# Altium PCB TEBF0808ASCII.PcbDoc (part 8 of 10)
Units mm, origin at the board's own origin, x right, y up, seen from the top; angles counter-clockwise.
Board outline 170 x 170 mm, 16 copper layers (L 01, L 02 G, L 03 S, L 04 G, L 05 S, L 06 G, L 07 P, L 08 P, L 09 P, L 10 P, L 11 G, L 12 S, L 13 G, L 14 S, L 15 G, L 16), stack 1.774 mm thick; 609 components, 869 nets, 3941 pads, 2358 vias.
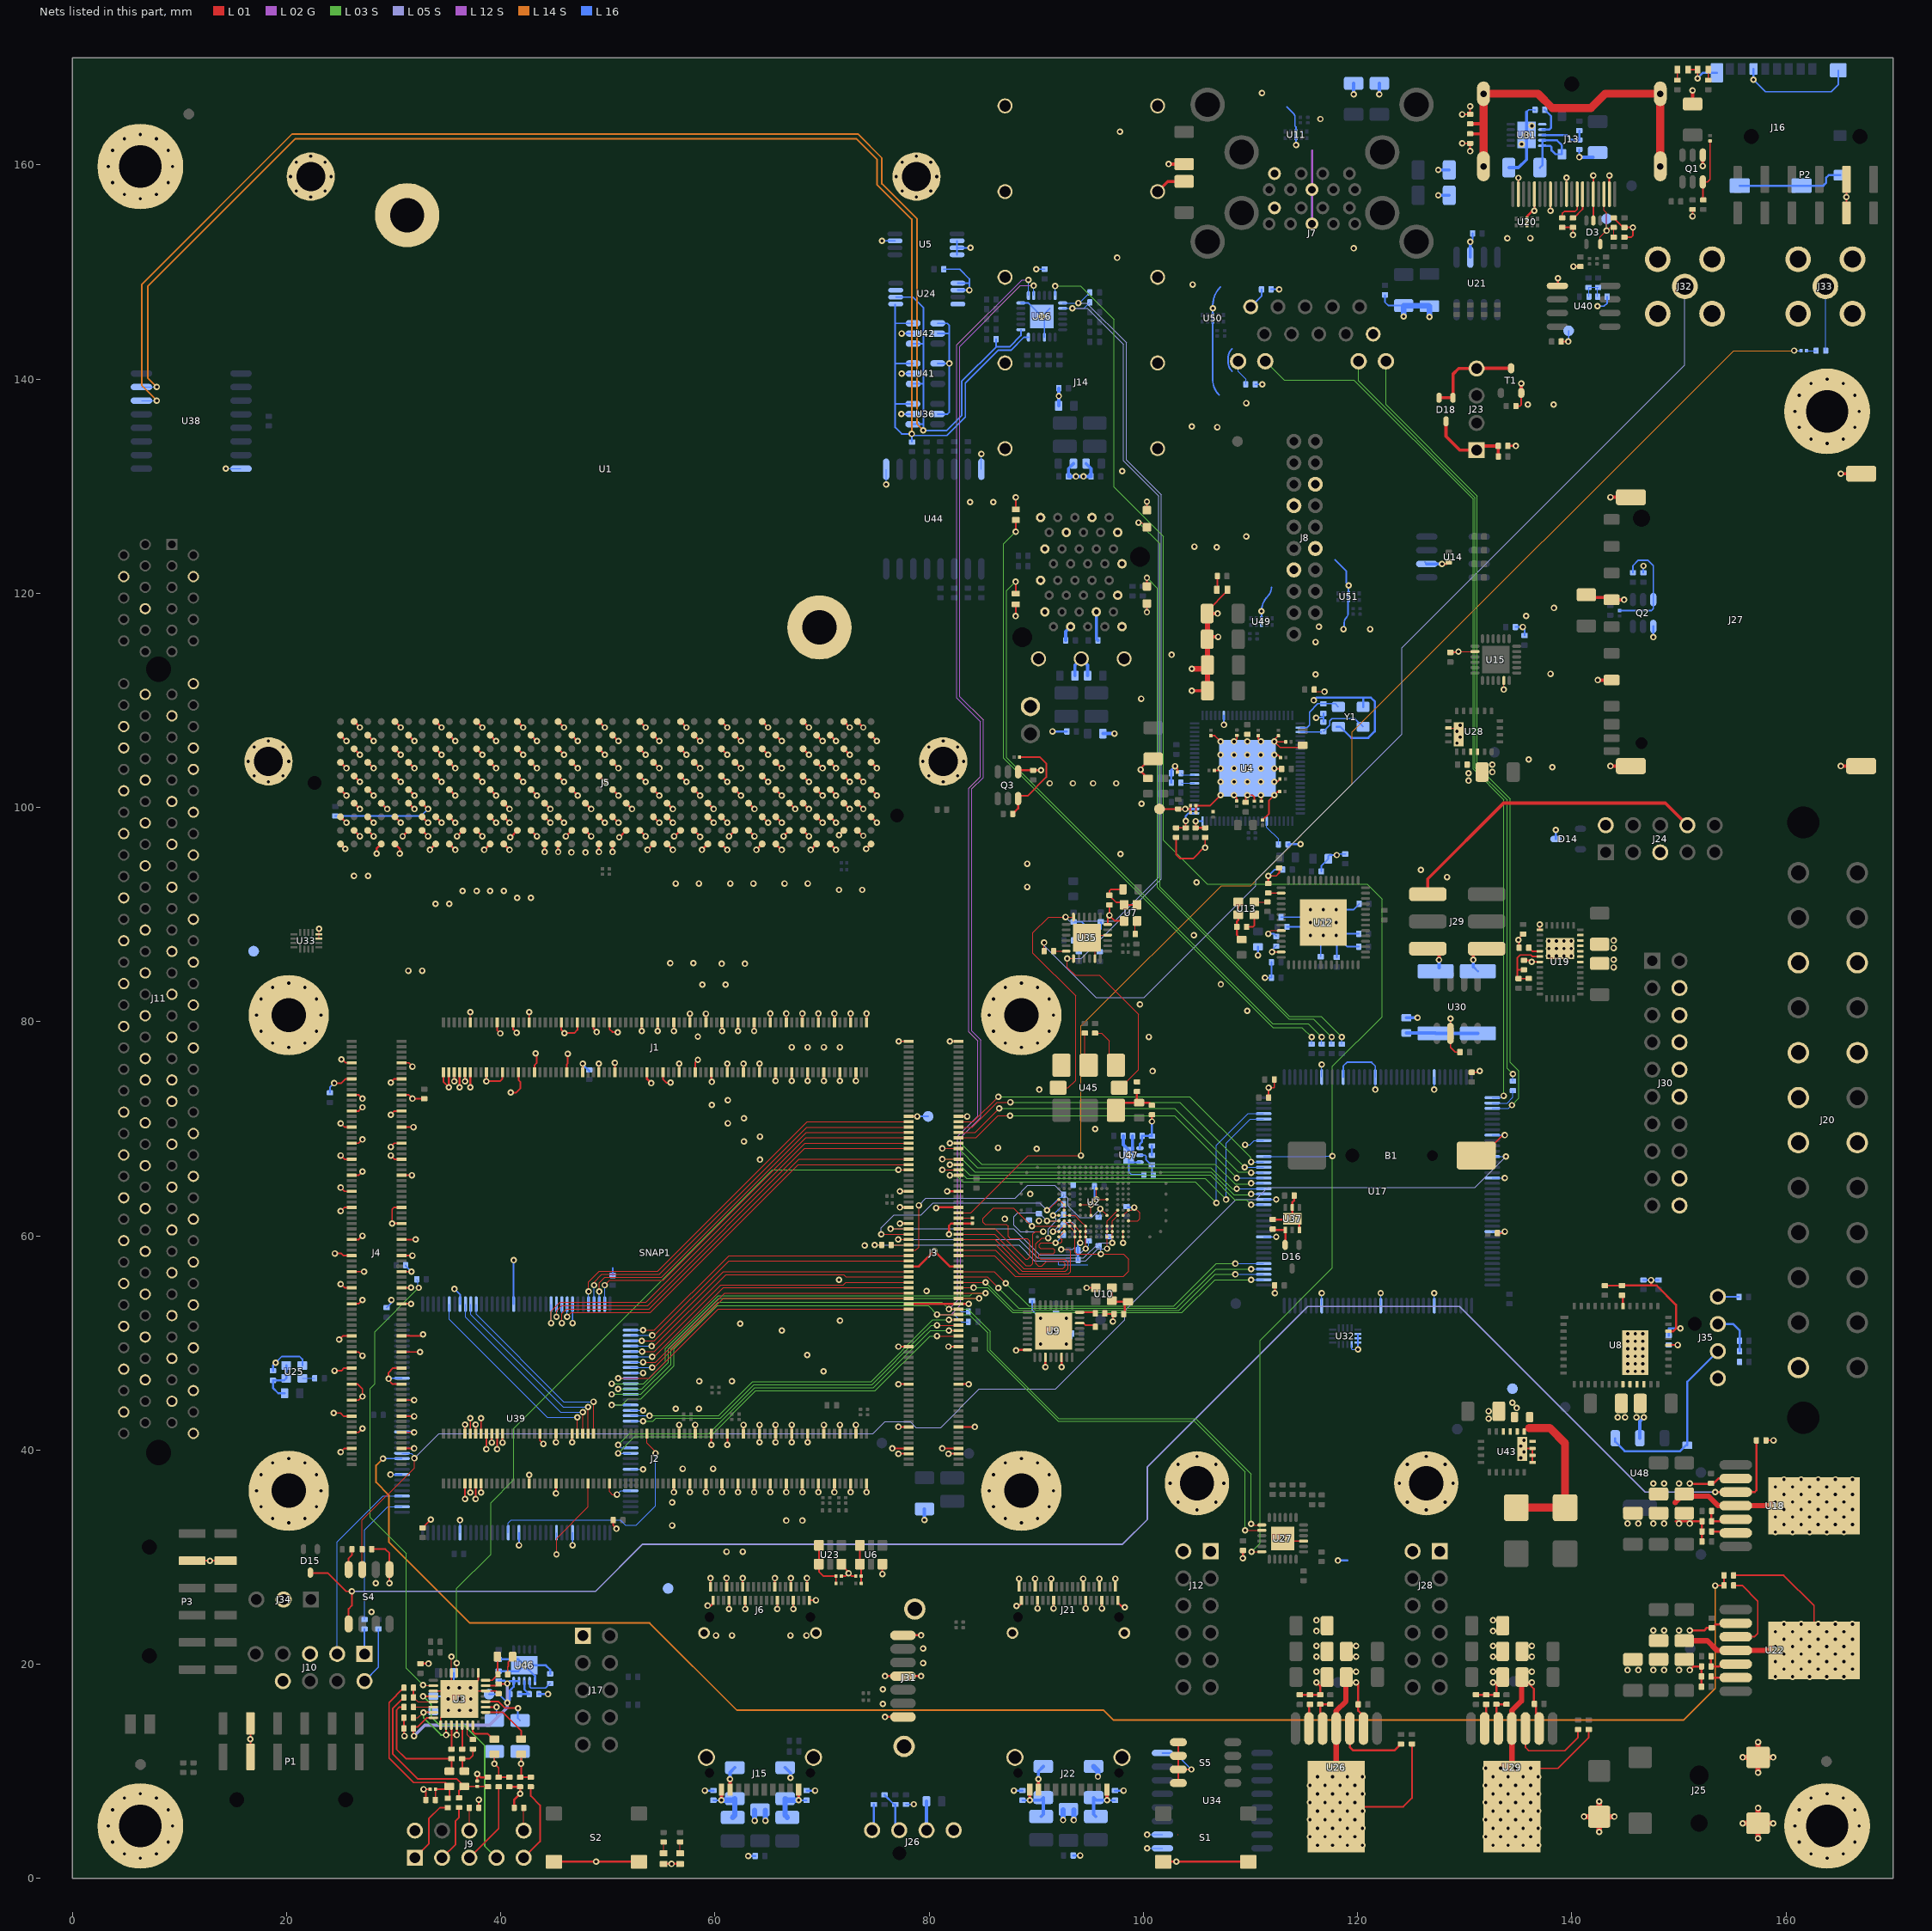
[diagram p18: the nets of this part, all layers, seen from the top]

## Via types
v1: diameter 0.6, hole 0.3, L 01 to L 16, 2358 vias

## Nets (pads, with @x,y where several pads share a name; then routed paths per layer and width w, separated by ;. In a path a pad name is that pad's centre, name@x,y a point inside that pad or via, vN(x,y) a via of type N, cw(c..) or ccw(c..) an arc to the next point about the centre after c; other vN are vias at no path point) (continued)
GND: (continued)
  other v1: 55.95,1.35 6.35,1.9 163.83,1.9 4.85,2.302 7.85,2.302 162.33,2.302 165.33,2.302 116.25,3.088 117.65,3.088 119.05,3.088 120.45,3.088 132.65,3.088 134.05,3.088 135.45,3.088 136.85,3.088 3.752,3.4 8.948,3.4 161.232,3.4 166.428,3.4 115.55,3.888 116.95,3.888 118.35,3.888 119.75,3.888 131.95,3.888 133.35,3.888 134.75,3.888 136.15,3.888 116.25,4.688 117.65,4.688 119.05,4.688 120.45,4.688 132.65,4.688 134.05,4.688 135.45,4.688 136.85,4.688 9.35,4.9 166.83,4.9 115.55,5.488 116.95,5.488 118.35,5.488 119.75,5.488 131.95,5.488 133.35,5.488 134.75,5.488 136.15,5.488 116.25,6.288 117.65,6.288 119.05,6.288 120.45,6.288 132.65,6.288 134.05,6.288 135.45,6.288 136.85,6.288 8.948,6.4 166.428,6.4 115.55,7.088 116.95,7.088 118.35,7.088 119.75,7.088 131.95,7.088 133.35,7.088 134.75,7.088 136.15,7.088 7.85,7.498 165.33,7.498 116.25,7.888 117.65,7.888 119.05,7.888 120.45,7.888 132.65,7.888 134.05,7.888 135.45,7.888 136.85,7.888 6.35,7.9 163.83,7.9 115.55,8.688 116.95,8.688 118.35,8.688 119.75,8.688 131.95,8.688 133.35,8.688 134.75,8.688 136.15,8.688 116.25,9.488 117.65,9.488 119.05,9.488 120.45,9.488 132.65,9.488 134.05,9.488 135.45,9.488 136.85,9.488 131.95,10.288 133.35,10.288 134.75,10.288 136.15,10.288 35.1,15.7 36.14,15.7 37.18,15.7 75.675,16.295 37.19,16.75 75.675,17.665 35.1,17.8 37.18,17.8 132.63,18.3 136.27,18.3 158.998,18.84 160.598,18.84 162.198,18.84 163.798,18.84 165.398,18.84 116.16,19.3 119.86,19.3 132.63,19.3 136.27,19.3 145.2,19.45 146.2,19.45 147.6,19.45 148.6,19.45 150,19.45 159.798,19.54 161.398,19.54 162.998,19.54 164.598,19.54 166.198,19.54 79.425,20.105 158.998,20.24 160.598,20.24 162.198,20.24 163.798,20.24 165.398,20.24 116.16,20.7 119.86,20.7 132.63,20.7 136.27,20.7 159.798,20.94 161.398,20.94 162.998,20.94 164.598,20.94 166.198,20.94 79.425,21.475 158.998,21.64 160.598,21.64 162.198,21.64 163.798,21.64 165.398,21.64 116.16,21.7 119.86,21.7 132.63,21.7 136.27,21.7 159.798,22.34 161.398,22.34 162.998,22.34 164.598,22.34 166.198,22.34 60.09,22.685 61.59,22.685 67.04,22.685 68.54,22.685 158.998,23.04 160.598,23.04 162.198,23.04 163.798,23.04 165.398,23.04 116.16,23.1 132.63,23.1 147.6,23.15 148.6,23.15 150,23.15 159.798,23.74 161.398,23.74 162.998,23.74 164.598,23.74 166.198,23.74 116.16,24.1 132.63,24.1 27.925,24.875 28.335,27.575 61.085,30.515 62.585,30.515 41.7,31.11 46.7,31.11 158.998,32.35 160.598,32.35 162.198,32.35 163.798,32.35 165.398,32.35 56,32.96 159.798,33.05 161.398,33.05 162.998,33.05 164.598,33.05 166.198,33.05 145.2,33.13 146.2,33.13 147.6,33.13 148.6,33.13 150,33.13 151,33.13 20.205,33.203 88.605,33.203 66.655,33.408 68.155,33.408 18.705,33.605 21.705,33.605 87.105,33.605 90.105,33.605 158.998,33.75 160.598,33.75 162.198,33.75 163.798,33.75 165.398,33.75 105,34.4 126.4,34.4 159.798,34.45 161.398,34.45 162.998,34.45 164.598,34.45 166.198,34.45 17.607,34.703 22.803,34.703 86.007,34.703 91.203,34.703 56,35.12 103.232,35.132 106.768,35.132 124.632,35.132 128.168,35.132 158.998,35.15 160.598,35.15 162.198,35.15 163.798,35.15 165.398,35.15 159.798,35.85 161.398,35.85 162.998,35.85 164.598,35.85 166.198,35.85 23.205,36.203 91.605,36.203 158.998,36.55 160.598,36.55 162.198,36.55 163.798,36.55 165.398,36.55 147.6,36.87 148.6,36.87 150,36.87 151,36.87 102.5,36.9 107.5,36.9 123.9,36.9 128.9,36.9 159.798,37.25 161.398,37.25 162.998,37.25 164.598,37.25 166.198,37.25 22.803,37.703 91.203,37.703 56.99,38.25 59.82,38.25 103.232,38.668 106.768,38.668 124.632,38.668 128.168,38.668 21.705,38.801 90.105,38.801 20.205,39.203 88.605,39.203 135.234,39.266 105,39.4 126.4,39.4 135.534,39.816 31.915,40.149 135.234,40.366 135.534,40.916 132.224,42.926 144.276,43.051 144.976,43.051 146.026,43.051 31.915,43.149 132.224,43.626 56.335,43.852 58.495,43.852 134.85,43.925 134.449,44.426 31.915,44.649 58.525,46.425 61.575,46.425 70.136,47.339 145.226,47.351 145.926,47.351 146.626,47.351 145.226,48.051 145.926,48.051 146.626,48.051 145.226,48.751 145.926,48.751 146.626,48.751 68.609,48.866 145.226,49.451 145.926,49.451 146.626,49.451 90.4,49.9 145.226,50.151 145.926,50.151 146.626,50.151 145.226,50.851 145.926,50.851 146.626,50.851 91.6,51.1 66.25,51.15 62.35,51.8 71.675,52.075 31.628,53.653 79.75,54.85 71.575,55.9 73.975,59.1 90.25,61.4 87.05,61.575 89.425,63.9 64.2,67.11 90.025,68.125 86.425,68.225 62.7,68.81 64.2,69.27 95.5,69.975 61.2,70.51 62.7,70.97 59.7,72.21 61.2,72.67 90.275,73.65 100.85,75.375 20.205,77.603 67.155,77.608 68.655,77.608 70.155,77.608 71.655,77.608 88.605,77.603 87.105,78.005 90.105,78.005 100.5,78.575 58.4,78.59 50.925,79 86.007,79.103 91.203,79.103 17.205,80.603 23.205,80.603 91.605,80.603 109.7,81 99.675,81.6 91.203,82.103 90.105,83.201 58.825,83.45 60.985,83.45 107.225,83.475 20.205,83.603 88.605,83.603 31.36,84.75 32.66,84.75 143.9,85.075 60.625,85.403 62.785,85.403 55.825,85.45 57.985,85.45 143.9,85.775 137.85,86.125 138.55,86.125 139.25,86.125 139.95,86.125 137.85,86.825 138.55,86.825 139.25,86.825 139.95,86.825 143.9,86.875 137.85,87.525 138.55,87.525 139.25,87.525 139.95,87.525 143.9,87.575 135,87.625 116.8,88.05 104.7,88.075 115.6,89.25 118,89.25 116.8,90.45 33.9,91 35.2,91 41.52,91.55 42.82,91.55 36.44,92.2 37.74,92.2 39.002,92.2 40.28,92.2 71.581,92.3 73.741,92.3 89.15,92.58 56.341,92.9 58.501,92.9 61.421,92.9 63.581,92.9 66.501,92.9 68.661,92.9 104.95,93 128.35,93.5 26.302,93.6 27.602,93.6 125.9,94.175 89.15,94.74 97.85,95.65 46.6,95.8 47.9,95.8 44.09,95.84 45.36,95.84 49.17,95.84 50.44,95.84 105.76,96.235 58.605,97.256 56.187,97.306 73.845,97.356 99.825,100.35 91.255,102.25 93.415,102.25 95.305,102.25 97.465,102.25 18.31,102.4 81.31,102.4 107.21,102.4 108.46,102.4 109.71,102.4 110.96,102.4 130.35,102.5 16.966,102.956 19.654,102.956 79.966,102.956 82.654,102.956 130.35,103.2 132.575,103.3 108.46,103.65 109.71,103.65 110.96,103.65 138.175,103.75 132.575,104 16.41,104.3 20.21,104.3 79.41,104.3 83.21,104.3 135.975,104.475 107.21,104.9 108.46,104.9 109.71,104.9 110.96,104.9 16.966,105.644 19.654,105.644 79.966,105.644 82.654,105.644 129.265,106.01 109.71,106.15 18.31,106.2 81.31,106.2 129.565,106.56 129.565,107.66 99.8,110.15 116.075,112.41 138,112.475 102.625,114.25 116.075,115.44 121.16,116.65 116.375,116.875 135.725,117.875 138.325,118.625 106.85,124.3 104.75,124.35 109.6,125.3 83.82,128.5 85.98,128.5 93.7,130.9 94.4,130.9 98.025,131.4 163.83,133.98 162.33,134.382 165.33,134.382 106.9,135.5 161.232,135.48 166.428,135.48 104.525,135.575 166.83,136.98 135.9,137.625 138.3,137.625 109.6,137.75 166.428,138.48 165.33,139.578 163.83,139.98 104.6,148.825 97.55,151.325 119.625,152.2 133.98,153.14 136.12,153.16 6.35,156.84 22.26,157 78.81,157 4.85,157.242 7.85,157.242 20.916,157.556 23.604,157.556 77.466,157.556 80.154,157.556 3.752,158.34 8.948,158.34 20.36,158.9 24.16,158.9 76.91,158.9 80.71,158.9 9.35,159.84 20.916,160.244 23.604,160.244 77.466,160.244 80.154,160.244 22.26,160.8 78.81,160.8 8.948,161.34 135.315,161.935 7.85,162.438 6.35,162.84 97.8,163.1 136.265,163.635 116.525,164.275 111.075,166.7
HD_LED_N: J10.3 U39.112 | length 18.3
  L 16 w0.1: J10.3@24.73,20.96 24.73,31.401 29.029,35.7 U39.112@30.78,35.7
HD_LED_P: R61.1 U39.110 | length 12.8
  L 16 w0.1: R61.1@27.275,24.17 27.275,32.532 29.443,34.7 U39.110@30.78,34.7
HDA_SENSE: J9.7 U3.4 | length 20.2
  L 01 w0.15: v1(32.75,17) U3.4@33.7,17
  L 03 S w0.15: v1(32.75,17) 33.5,16.25 33.5,15.1 34.3,14.3 36.6,14.3 38.5,12.4 38.5,3.031 J9.7@39.601,1.93
HDIO_SC0: J3.31 U39.32 | length 38.1
  L 01 w0.1: v1(48.2,54.79) 48.2,55.7 49.175,56.675 54.65,56.675 68.628,70.653 J3.31@78.07,70.653
  L 16 w0.1: U39.32@48.2,53.62 v1(48.2,54.79)
HDIO_SC1: J3.33 U39.33 | length 37.4
  L 01 w0.1: v1(48.7,55.39) 48.7,55.65 49.45,56.4 54.825,56.4 68.578,70.153 J3.33@78.07,70.153
  L 16 w0.1: U39.33@48.7,53.62 v1(48.7,55.39)
HDIO_SC2: J3.35 U39.34 | length 36.7
  L 01 w0.1: v1(49.2,54.79) 49.2,55.6 49.725,56.125 55,56.125 68.528,69.653 J3.35@78.07,69.653
  L 16 w0.1: U39.34@49.2,53.62 v1(49.2,54.79)
HDIO_SC3: J3.37 U39.35 | length 35.8
  L 01 w0.1: v1(49.7,55.39) 50.16,55.85 55.175,55.85 68.478,69.153 J3.37@78.07,69.153
  L 16 w0.1: U39.35@49.7,53.62 v1(49.7,55.39)
HDIO_SC4: J3.39 U39.25 | length 42.7
  L 01 w0.1: v1(44.7,51.85) 44.7,52.95 45.55,53.8 53.575,53.8 68.428,68.653 J3.39@78.07,68.653
  L 16 w0.1: v1(44.7,51.85) U39.25@44.7,53.62
HDIO_SC5: J3.41 U39.26 | length 40.9
  L 01 w0.1: v1(45.2,52.45) 45.2,53 45.7,53.5 53.725,53.5 68.378,68.153 J3.41@78.07,68.153
  L 16 w0.1: v1(45.2,52.45) U39.26@45.2,53.62
HDIO_SC6: J3.45 U39.27 | length 41
  L 01 w0.1: v1(45.7,51.85) 45.7,52.75 46.125,53.175 53.85,53.175 67.828,67.153 J3.45@78.07,67.153
  L 16 w0.1: v1(45.7,51.85) U39.27@45.7,53.62
HDIO_SC7: J3.47 U39.28 | length 39.1
  L 01 w0.1: v1(46.2,52.45) 46.6,52.85 50,52.85 53.975,52.85 67.778,66.653 71.503,66.653 ; 71.7,66.653 71.503,66.653 ; J3.47@78.07,66.653 71.503,66.653
  L 16 w0.1: v1(46.2,52.45) U39.28@46.2,53.62
HDIO_SC10: J3.32 U17.60 | length 32.2
  L 01 w0.1: J3.32@82.74,70.653 84.108,70.653 v1(86.447,72.992)
  L 03 S w0.1: v1(86.447,72.992) 104.332,72.992 110.01,67.314 110.01,66.95 v1(110.06,66.9)
  L 16 w0.1: v1(110.06,66.9) U17.60@111.23,66.9
HDIO_SC11: J3.34 U17.59 | length 32
  L 01 w0.1: J3.34@82.74,70.153 84.028,70.153 86.347,72.472 v1(87.57,72.472)
  L 03 S w0.1: v1(87.57,72.472) 103.388,72.472 v1(109.46,66.4)
  L 16 w0.1: v1(109.46,66.4) U17.59@111.23,66.4
HDIO_SC12: J3.36 U17.58 | length 31.9
  L 01 w0.1: J3.36@82.74,69.653 84.286,69.653 v1(86.529,71.896)
  L 03 S w0.1: v1(86.529,71.896) 102.919,71.896 108.866,65.95 110.01,65.95 v1(110.06,65.9)
  L 16 w0.1: v1(110.06,65.9) U17.58@111.23,65.9
HDIO_SC13: J3.38 U17.57 | length 31.7
  L 01 w0.1: J3.38@82.74,69.153 84.378,69.153 86.437,71.212 v1(87.543,71.212)
  L 03 S w0.1: v1(87.543,71.212) 102.898,71.212 v1(108.71,65.4)
  L 16 w0.1: v1(108.71,65.4) U17.57@111.23,65.4
HDIO_SC14: J3.40 U17.56 | length 31.6
  L 01 w0.1: v1(81.928,68.653) J3.40@82.74,68.653
  L 02 G w0.1: v1@81.925,68.65 v1(81.928,68.653)
  L 03 S w0.1: v1(81.928,68.653) 82.947,68.653 84.9,66.7 106.7,66.7 108.55,64.85 v1@110.01,64.85
  L 16 w0.1: v1(110.06,64.9) U17.56@111.23,64.9
HDIO_SC15: J3.42 U17.55 | length 33.1
  L 01 w0.1: v1(81.225,68.153) J3.42@82.74,68.153
  L 03 S w0.1: v1(81.225,68.153) 82.722,68.153 84.5,66.375 106.3,66.375 108.32,64.355 v1@108.71,64.355
  L 16 w0.1: v1(108.71,64.4) U17.55@111.23,64.4
HDIO_SC16: J3.46 U17.54 | length 32.8
  L 01 w0.1: v1(81.225,67.153) J3.46@82.74,67.153
  L 03 S w0.1: v1(81.225,67.153) 83.072,67.153 84.25,65.975 106.325,65.975 108.45,63.85 v1@110.01,63.85
  L 16 w0.1: v1(110.06,63.9) U17.54@111.23,63.9
HDIO_SC17: J3.48 U17.52 | length 31.7
  L 01 w0.1: v1(81.928,66.653) J3.48@82.74,66.653
  L 02 G w0.1: v1@81.925,66.65 v1(81.928,66.653)
  L 03 S w0.1: v1(81.928,66.653) 82.797,66.653 83.775,65.675 106.225,65.675 108.545,63.355 109.605,63.355 v1(110.06,62.9)
  L 16 w0.1: v1(110.06,62.9) U17.52@111.23,62.9
HDIO_SC18: J3.50 U17.68 | length 38.9
  L 01 w0.1: v1(81.225,66.153) J3.50@82.74,66.153
  L 03 S w0.1: v1(81.225,66.153) 82.672,66.153 83.475,65.35 105.743,65.35 v1(107.711,63.382)
  L 16 w0.1: v1(107.711,63.382) 107.711,68.636 109.975,70.9 U17.68@111.23,70.9
HDIO_SC19: J3.52 U17.69 | length 37.8
  L 01 w0.1: v1(81.928,65.653) J3.52@82.74,65.653
  L 02 G w0.1: v1@81.925,65.65 v1(81.928,65.653)
  L 03 S w0.1: v1(81.928,65.653) 82.547,65.653 83.15,65.05 104.842,65.05 v1(106.82,63.072)
  L 16 w0.1: v1(106.82,63.072) 106.82,68.456 109.764,71.4 U17.69@111.23,71.4
I2C_RST: U16.24 U17.61 U27.24 | length 154.2
  L 01 w0.1: v1(110.1,30.5) U27.24@111.05,30.5
  L 03 S w0.1: v1(91.76,148.67) 94.13,148.67 97.25,145.55 97.25,129.9 101.85,125.3 101.85,96.95 105.975,92.825 120.875,92.825 122.275,91.425 122.275,80.45 117.65,75.825 v1(117.65,67.45) 117.65,57 110.9,50.25 110.9,31.3 v1(110.1,30.5)
  L 16 w0.1: U16.24@91.76,147.8 v1(91.76,148.67) ; U17.61@111.23,67.4 117,67.4 117.05,67.45 v1(117.65,67.45)
I2C_SCL: J3.102 R141.2 U16.19 U27.19 U39.50 | length 185.6
  L 01 w0.1: v1(81.831,53.153) J3.102@82.74,53.153 ; v1(110.05,33.1) 110.15,33 U27.19@111.05,33
  L 03 S w0.1: v1(50.35,45.2) 53.1,45.2 55.9,48 55.9,49.433 60.292,53.825 81.159,53.825 v1(81.831,53.153) 83.622,53.153 85.715,51.06 85.715,49.3 92.065,42.95 104.875,42.95 110.05,37.775 v1(110.05,33.1)
  L 12 S w0.1: v1(81.831,53.153) 82.65,53.972 82.65,69.275 84.555,71.18 84.555,78.195 83.7,79.05 83.7,101.8 84.79,102.89 84.79,108.01 82.575,110.225 82.575,143.175 88.66,149.26 v1(89.26,149.26)
  L 16 w0.1: v1(50.35,45.2) U39.50@52.12,45.2 ; v1(81.831,53.153) 82.74,53.153 82.968,52.925 R141.2@83.655,52.925 ; U16.19@89.26,147.8 v1(89.26,149.26)
I2C_SDA: J3.104 R142.2 U16.20 U27.20 U39.52 | length 190
  L 01 w0.1: v1(80.731,52.653) J3.104@82.74,52.653 ; v1(109.5,32.5) U27.20@111.05,32.5
  L 03 S w0.1: v1(50.35,44.2) 51.3,44.2 51.875,44.775 53.075,44.775 56.175,47.875 56.175,49.425 60.225,53.475 79.909,53.475 v1(80.731,52.653) 83.747,52.653 85.45,50.95 85.45,49.282 92.047,42.685 104.765,42.685 109.5,37.95 v1(109.5,32.5)
  L 12 S w0.1: v1(80.731,52.653) 82.046,52.653 82.95,53.556 82.95,69.175 84.838,71.063 84.838,78.262 83.983,79.117 83.983,101.733 85.05,102.8 85.05,108.15 82.85,110.35 82.85,143.05 88.51,148.71 v1(89.76,148.71)
  L 16 w0.1: v1(50.35,44.2) U39.52@52.12,44.2 ; v1(80.731,52.653) 82.347,52.653 83.025,51.975 R142.2@83.655,51.975 ; U16.20@89.76,147.8 v1(89.76,148.71)
IN2_N: C178.2 J3.68 | length 1.3
  L 01 w0.1: J3.68@82.74,61.653 C178.2@84.001,61.653
IN2_P: C176.1 J3.66 | length 121.9
  L 01 w0.1: J3.66@82.74,62.153 83.878,62.153 89.225,67.5 v1(94.175,67.5)
  L 14 S w0.1: v1(94.175,67.5) 94.175,79.6 107.275,92.7 110.025,92.7 119.5,102.175 119.5,107.025 155.125,142.65 v1(160.75,142.65)
  L 16 w0.1: v1(160.75,142.65) C176.1@161.395,142.65
INIT_B: J2.98 U39.68 | length 3
  L 01 w0.1: J2.98@50.155,36.868 50.155,36.095 50.4,35.85 v1(50.85,35.85)
  L 16 w0.1: v1(50.85,35.85) 51.2,36.2 U39.68@52.12,36.2
JTAGENB: R88.2 S4.3 U17.120 U39.120 | length 129.7
  L 01 w0.1: S4.3@27.065,28.84 27.065,33.465 31.925,38.325 v1(31.925,39.225)
  L 05 S w0.1: v1(31.925,39.225) 34.238,41.538 74.763,41.538 75.875,42.65 78.225,42.65 78.775,42.1 81.075,42.1 84.675,45.7 91.8,45.7 98.25,52.15 98.25,52.986 108.664,63.4 110.5,63.4 111.6,64.5 130.95,64.5 v1(133.85,67.4)
  L 16 w0.1: U39.120@30.78,39.7 31.675,39.7 31.925,39.45 v1(31.925,39.225) ; U17.120@132.57,67.4 v1(133.85,67.4)
LDO_3.3V: C53.1 C54.1 C216.1 R170.2 TP13.1 U3.8 U3.23 U46.9 U46.10 | length 23.5
  L 01 w0.15: v1(31.9,13.3) 31.85,13.35 C53.1@31.85,14 32,14.15 32.25,14.15 33.1,15 U3.8@33.7,15 ; U3.23@38.58,18 39.65,18 C54.1@39.8,18.15 40.55,18.15 v1(40.6,18.2)
  L 05 S w0.3: v1(31.9,13.3) 32.9,14.3 38.95,14.3 40.6,15.95 v1(40.6,18.2)
  L 16 w0.15: TP13.1@38.9,17.2 39.8,17.2 v1(40.6,16.4)
  L 16 w0.2: C216.1@39.8,18.45 40.35,18.45 v1(40.6,18.2) 40.83,18.43 U46.10@41.2,18.43 ; v1(40.6,16.4) 40.855,16.655 R170.2@40.855,17.2 40.855,17.555 41.2,17.9 U46.10@41.2,18.43 ; U46.9@41.7,18.43 U46.10@41.2,18.43
LDO_CK: C196.1 R191.1 R194.1 U47.1 | length 4.2
  L 01 w0.2: v1(100.8,70.675) R194.1@100.8,71.305
  L 16 w0.2: U47.1@99.675,68.175 99.675,68.575 99.875,68.775 C196.1@99.875,69.325 100.77,69.325 R191.1@100.8,69.295 v1(100.8,70.675)
LED_1A: J7.12 U17.109 | length 82.7
  L 03 S w0.1: J7.12@111.375,141.653 113.127,139.9 119.66,139.9 130.775,128.785 130.775,103.575 133.625,100.725 v1(133.625,73.075)
  L 16 w0.1: U17.109@132.57,72.9 133.45,72.9 v1(133.625,73.075)
LED_2A: J7.14 U17.111 | length 76.9
  L 01 w0.1: v1(134.4,72.2) v1@134.5,72.2
  L 03 S w0.1: J7.14@122.635,141.653 122.635,137.615 131.175,129.075 131.175,103.866 134.25,100.791 134.25,76.2 135.05,75.4 135.05,72.85 v1(134.4,72.2)
  L 16 w0.1: U17.111@132.57,71.9 134.1,71.9 v1(134.4,72.2)
LED_2B: R37.2 U17.110 | length 2.8
  L 16 w0.1: U17.110@132.57,72.4 133.95,72.4 134.5,72.95 R37.2@134.5,73.555
LP_GOOD: J2.106 U39.83 | length 9.6
  L 01 w0.1: v1@45.2,30.51 45.2,31.75 48.155,34.705 J2.106@48.155,36.868
  L 16 w0.1: v1(45.2,30.26) U39.83@45.2,32.28
LRCLK: J3.49 U3.29 | length 71.9
  L 01 w0.1: U3.29@35.89,19.19 v1(35.89,20.1) ; v1(77.13,66.153) J3.49@78.07,66.153
  L 03 S w0.1: v1(35.89,20.1) 35.89,27.09 39.063,30.263 39.063,35.088 41.2,37.225 41.2,42.011 65.342,66.153 v1(77.13,66.153)
MCLK_SCL: R130.2 U16.2 U35.12 U45.8 | length 92.3
  L 01 w0.1: U45.8@92.032,73.825 92.975,73.825 93.675,74.525 93.675,82.4 89.675,86.4 89.675,88.3 91.14,89.765 v1(92.735,89.765) U35.12@93.475,89.765
  L 05 S w0.1: v1(92.735,89.765) 93.1,89.4 97.325,89.4 101.425,93.5 101.425,129.082 98.15,132.357 98.15,143.225 94.775,146.6 v1(93.37,146.6)
  L 16 w0.1: U16.2@92.46,146.6 v1(93.37,146.6) 94.45,146.6 R130.2@95.005,147.155
MCLK_SDA: R131.2 U16.1 U35.19 U45.7 | length 89.8
  L 01 w0.1: U35.19@93.475,85.885 v1(92.89,85.885) 92.89,85.06 93.625,84.325 95.9,84.325 99.55,80.675 99.55,75.5 97.875,73.825 U45.7@97.742,73.825
  L 05 S w0.1: v1(92.89,85.885) 94.21,85.885 101.65,93.325 101.65,129.175 98.4,132.425 98.4,143.375 94.675,147.1 v1(93.92,147.1)
  L 16 w0.1: U16.1@92.46,147.1 v1(93.92,147.1) 94.025,147.1 R131.2@95.005,148.08
MEM_SCL: R173.2 U16.13 U24.6 U36.1 U38.14 U41.1 U42.1 | length 149.1
  L 14 S w0.15: v1@7.943,137.944 6.475,139.411 6.475,148.825 20.525,162.875 73.325,162.875 75.575,160.625 75.575,158.225 78.87,154.93 78.87,135.78 v1(79.45,135.2)
  L 16 w0.1: U38.14@6.45,137.98 v1(7.88,137.98)
  L 16 w0.15: U24.6@76.875,147.65 78.475,147.65 79.475,146.65 79.475,143.3 ; U36.1@78.475,135.775 79.475,135.775 ; U41.1@78.5,139.55 79.475,139.55 ; U42.1@78.5,143.3 79.475,143.3 ; v1(79.45,135.2) v1@79.475,135.2 ; R173.2@86.245,143.73 86.245,143.005 ; U16.13@88.56,144.6 88.56,144.065 87.5,143.005 86.245,143.005 ; v1@79.475,135.2 79.475,135.775 ; v1@79.475,135.2 81.65,135.2 83.025,136.575 83.025,139.785 86.245,143.005 ; 79.475,135.775 79.475,139.55 ; 79.475,139.55 79.475,143.3
MEM_SDA: R174.2 U16.12 U24.5 U36.3 U38.15 U41.3 U42.3 | length 148.2
  L 14 S w0.15: v1(7.88,139.25) 7.05,140.08 7.05,148.675 20.802,162.427 73.223,162.427 75.125,160.525 75.125,158.175 78.375,154.925 v1(78.375,134.875)
  L 16 w0.1: U38.15@6.45,139.25 v1(7.88,139.25)
  L 16 w0.15: U24.5@76.825,146.95 76.825,145.2 ; R174.2@78.4,134.12 78.375,134.145 v1(78.375,134.875) 77.425,134.875 76.825,135.475 76.825,137.675 ; U36.3@78.475,137.675 76.825,137.675 ; U41.3@78.5,141.45 76.825,141.45 ; U42.3@78.5,145.2 76.825,145.2 ; v1@78.525,134.725 81.65,134.725 83.375,136.45 83.375,139.625 86.43,142.68 87.63,142.68 88.85,143.9 U16.12@89.26,143.9 ; 76.825,137.675 76.825,141.45 ; 76.825,141.45 76.825,145.2
MIO24: J3.81 U39.38 | length 28.8
  L 01 w0.1: v1(53.29,51.2) 54.34,51.2 61.293,58.153 J3.81@78.07,58.153
  L 16 w0.1: U39.38@52.12,51.2 v1(53.29,51.2)
MIO25: J3.83 U39.39 | length 28.8
  L 01 w0.1: v1(54.14,50.7) 54.34,50.7 61.293,57.653 J3.83@78.07,57.653
  L 16 w0.1: U39.39@52.12,50.7 v1(54.14,50.7)
MIO26: J3.88 U17.41 | length 31.5
  L 01 w0.1: J3.88@82.74,56.653 86.072,56.653 v1(87.15,55.575)
  L 03 S w0.1: v1(87.15,55.575) 89.3,53.425 102.825,53.425 106.8,57.4 v1(108.585,57.4)
  L 16 w0.1: v1(108.585,57.4) U17.41@111.23,57.4
MIO27: J3.90 U17.40 | length 31.2
  L 01 w0.1: J3.90@82.74,56.153 85.422,56.153 v1(86.45,55.125)
  L 03 S w0.1: v1(86.45,55.125) 88.35,53.225 103.091,53.225 106.766,56.9 v1(110.06,56.9)
  L 16 w0.1: v1(110.06,56.9) U17.40@111.23,56.9
MIO28: J3.92 U17.39 | length 31
  L 01 w0.1: J3.92@82.74,55.653 v1(85.25,55.653)
  L 03 S w0.1: v1(85.25,55.653) 87.878,53.025 103.315,53.025 106.69,56.4 v1(108.585,56.4)
  L 16 w0.1: v1(108.585,56.4) U17.39@111.23,56.4